# KiCad board poly_kb_molecule_8x5.kicad_pcb (continued)
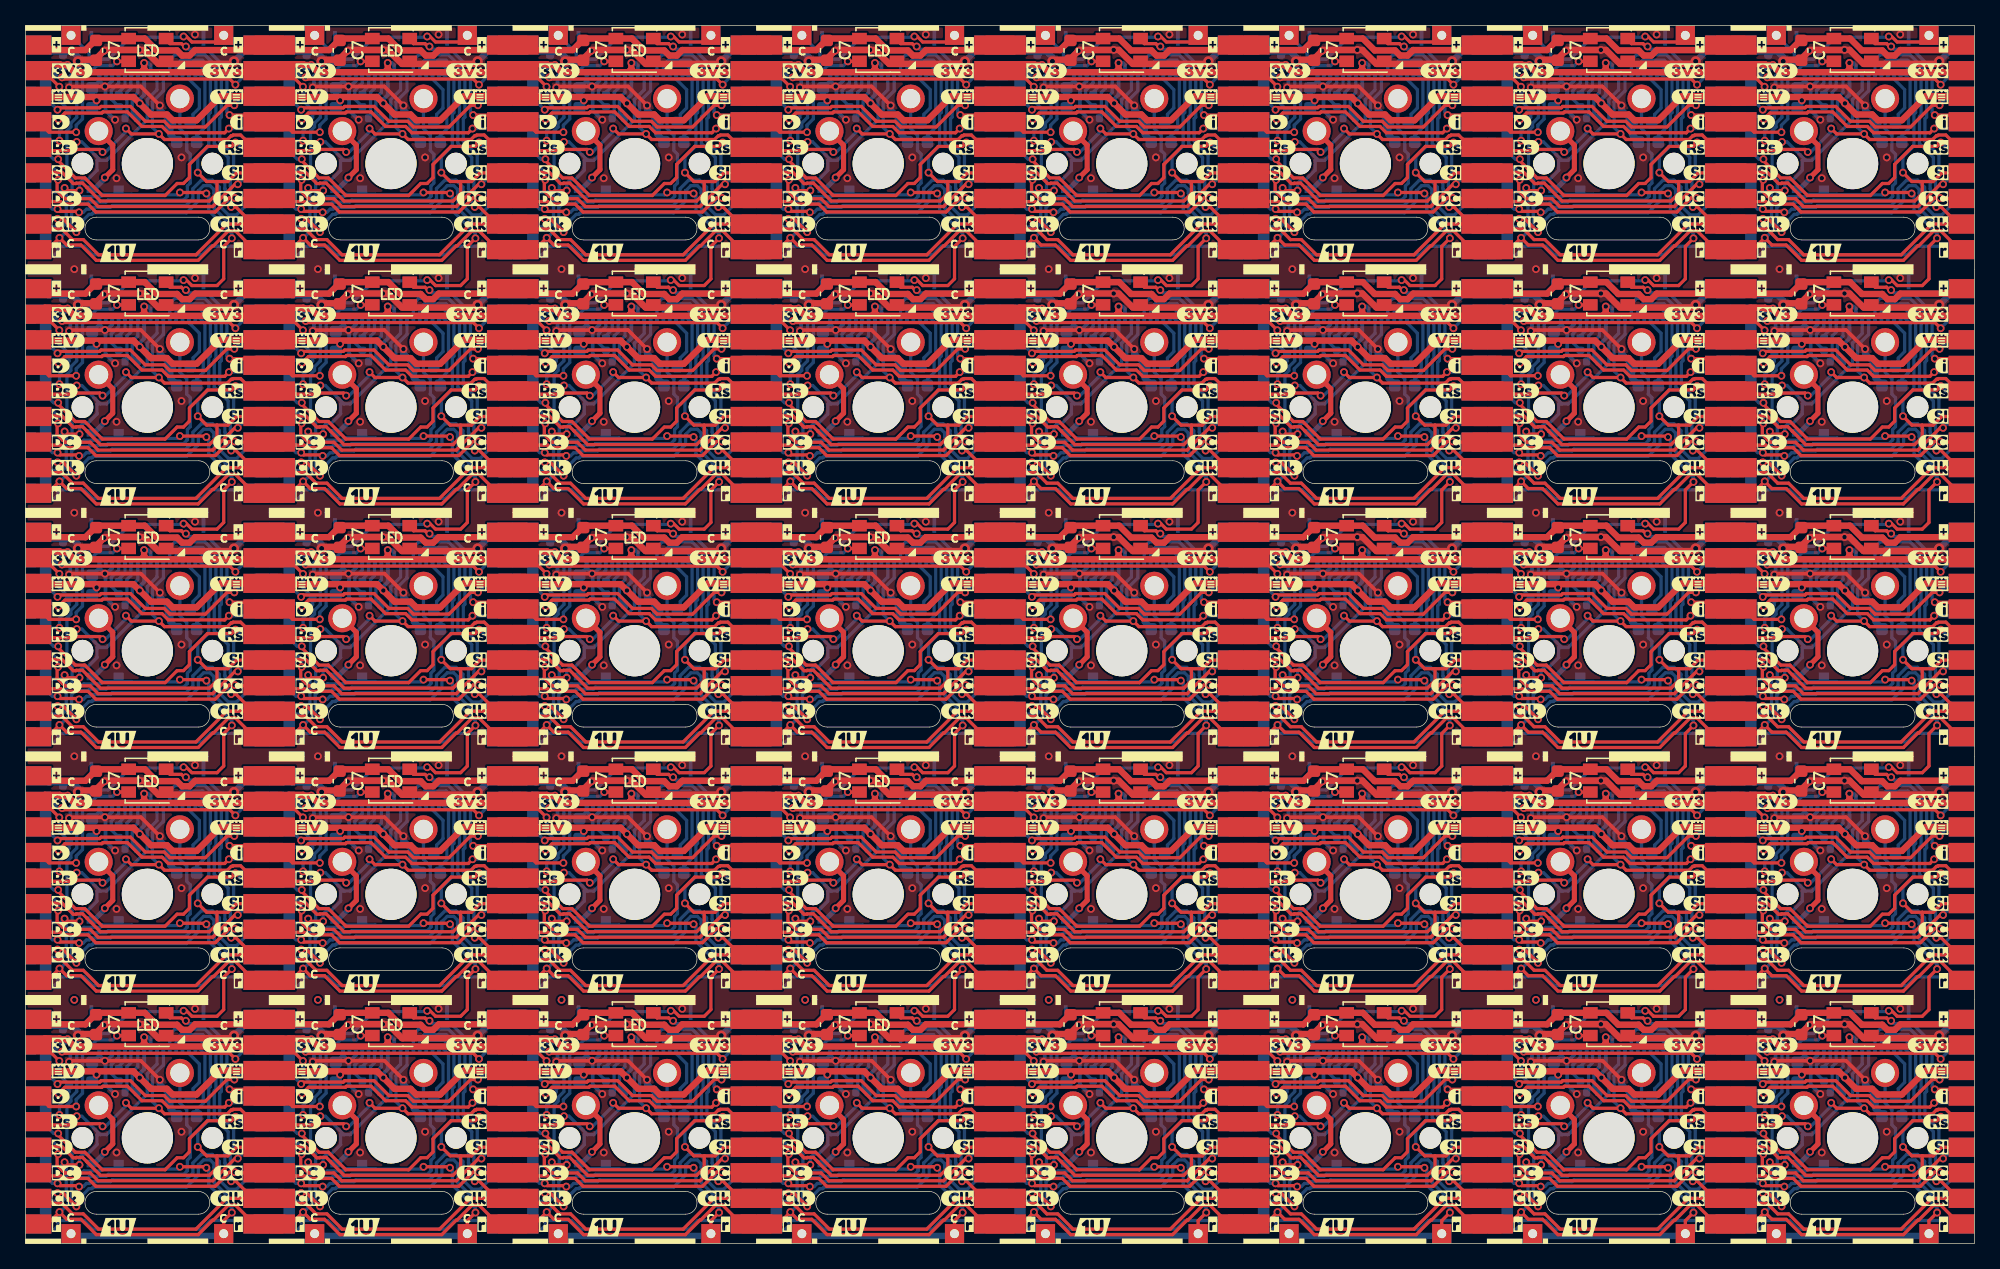
[diagram p0: board, top side]
## Routing (per net, layer and track width the routed paths; a pad name or vN(x,y) marks a point on that pad's centre or on a via; arc(x,y) is an arc through that point) (continued)
  Bottom w0.254: 134.62,28.58 135.54,27.65 v1(135.9,27.65) ; 96.52,28.58 97.44,27.65 v1(97.8,27.65) ; v1(54.51,86.1) 54.89,85.72 55.88,85.72 ; 115.57,47.62 116.5,46.7 v1(116.85,46.7) ; v1(40.65,84.8) 40.3,84.8 39.37,85.72 ; v1(54.51,9.9) 54.89,9.53 55.88,9.53 ; 20.32,85.72 21.24,84.8 v1(21.6,84.8) ; 77.47,9.53 78.39,8.6 v1(78.75,8.6) ; v1(135.9,46.7) 135.54,46.7 134.62,47.62 ; 132.08,66.67 131.09,66.67 v1(130.71,67.05) ; 55.88,47.62 54.89,47.62 v1(54.51,48) ; v1(92.61,28.95) 92.99,28.58 93.98,28.58 ; v1(130.71,9.9) 131.09,9.53 132.08,9.53 ; 20.32,28.58 21.24,27.65 v1(21.6,27.65) ; 93.98,85.72 92.99,85.72 v1(92.61,86.1) ; v1(78.75,46.7) 78.39,46.7 77.47,47.62 ; 74.93,9.53 73.94,9.53 v1(73.56,9.9) ; 151.13,9.53 150.14,9.53 v1(149.76,9.9) ; 134.62,9.53 135.54,8.6 v1(135.9,8.6) ; v1(135.9,65.75) 135.54,65.75 134.62,66.67 ; v1(35.46,9.9) 35.84,9.53 36.83,9.53 ; 1.27,9.53 2.2,8.6 v1(2.55,8.6) ; v1(73.56,48) 73.94,47.62 74.93,47.62 ; v1(116.85,27.65) 116.5,27.65 115.57,28.58 ; 1.27,85.72 2.2,84.8 v1(2.55,84.8) ; 1.27,66.67 2.2,65.75 v1(2.55,65.75) ; 132.08,28.58 131.09,28.58 v1(130.71,28.95) ; 58.42,85.72 59.34,84.8 v1(59.7,84.8) ; 151.13,66.67 150.14,66.67 v1(149.76,67.05) ; v1(111.66,9.9) 112.04,9.53 113.03,9.53 ; 96.52,85.72 97.44,84.8 v1(97.8,84.8) ; 1.27,47.62 2.2,46.7 v1(2.55,46.7) ; v1(73.56,86.1) 73.94,85.72 74.93,85.72 ; 151.13,47.62 150.14,47.62 v1(149.76,48) ; 36.83,85.72 35.84,85.72 v1(35.46,86.1) ; v1(78.75,84.8) 78.39,84.8 77.47,85.72 ; 113.03,47.62 112.04,47.62 v1(111.66,48) ; 115.57,85.72 116.5,84.8 v1(116.85,84.8) ; 96.52,47.62 97.44,46.7 v1(97.8,46.7) ; 77.47,28.58 78.39,27.65 v1(78.75,27.65) ; 17.78,47.62 16.79,47.62 v1(16.41,48) ; 115.57,9.53 116.5,8.6 v1(116.85,8.6) ; 96.52,66.67 97.44,65.75 v1(97.8,65.75) ; 96.52,9.53 97.44,8.6 v1(97.8,8.6) ; v1(35.46,28.95) 35.84,28.58 36.83,28.58 ; v1(78.75,65.75) 78.39,65.75 77.47,66.67 ; v1(59.7,46.7) 59.34,46.7 58.42,47.62 ; 55.88,66.67 54.89,66.67 v1(54.51,67.05) ; 93.98,47.62 92.99,47.62 v1(92.61,48) ; 134.62,85.72 135.54,84.8 v1(135.9,84.8) ; v1(130.71,86.1) 131.09,85.72 132.08,85.72 ; v1(130.71,48) 131.09,47.62 132.08,47.62 ; v1(2.55,27.65) 2.2,27.65 1.27,28.58 ; v1(59.7,65.75) 59.34,65.75 58.42,66.67 ; 36.83,66.67 35.84,66.67 v1(35.46,67.05) ; 115.57,66.67 116.5,65.75 v1(116.85,65.75) ; 20.32,9.53 21.24,8.6 v1(21.6,8.6) ; 17.78,66.67 16.79,66.67 v1(16.41,67.05) ; 93.98,66.67 92.99,66.67 v1(92.61,67.05) ; 58.42,28.58 59.34,27.65 v1(59.7,27.65) ; 151.13,85.72 150.14,85.72 v1(149.76,86.1) ; v1(21.6,65.75) 21.24,65.75 20.32,66.67 ; 113.03,85.72 112.04,85.72 v1(111.66,86.1) ; v1(16.41,28.95) 16.79,28.58 17.78,28.58 ; 93.98,9.53 92.99,9.53 v1(92.61,9.9) ; 39.37,66.67 40.3,65.75 v1(40.65,65.75) ; 74.93,66.67 73.94,66.67 v1(73.56,67.05) ; 39.37,47.62 40.3,46.7 v1(40.65,46.7) ; 151.13,28.58 150.14,28.58 v1(149.76,28.95) ; 113.03,28.58 112.04,28.58 v1(111.66,28.95) ; 39.37,9.53 40.3,8.6 v1(40.65,8.6) ; 17.78,85.72 16.79,85.72 v1(16.41,86.1) ; v1(35.46,48) 35.84,47.62 36.83,47.62 ; v1(54.51,28.95) 54.89,28.58 55.88,28.58 ; 39.37,28.58 40.3,27.65 v1(40.65,27.65) ; 74.93,28.58 73.94,28.58 v1(73.56,28.95) ; v1(59.7,8.6) 59.34,8.6 58.42,9.53 ; 20.32,47.62 21.24,46.7 v1(21.6,46.7) ; v1(111.66,67.05) 112.04,66.67 113.03,66.67 ; v1(16.41,9.9) 16.79,9.53 17.78,9.53
  Bottom w1.5: J6#7.5 J5#38.5 ; J6#16.5 J5#9.5 ; J6#28.5 J5#10.5 ; J6#26.5 J5#6.5 ; J6#36.5 J5#30.5 ; J6.5 J5#32.5 ; J6#40.5 J5#19.5 ; J6#2.5 J5#35.5 ; J6#27.5 J5#4.5 ; J6#30.5 J5#36.5 ; J6#22.5 J5#24.5 ; J6#21.5 J5#17.5 ; J6#31.5 J5#18.5 ; J6#6.5 J5#33.5 ; J6#3.5 J5#25.5 ; J6#11.5 J5#31.5 ; J6#4.5 J5#2.5 ; J6#29.5 J5#26.5 ; J6#13.5 J5#22.5 ; J6#8.5 J5#5.5 ; J6#17.5 J5#29.5 ; J6#20.5 J5#20.5 ; J6#25.5 J5#7.5 ; J6#12.5 J5#23.5 ; J6#19.5 J5#28.5 ; J6#10.5 J5#15.5 ; J6#15.5 J5#11.5 ; J6#39.5 J5#40.5 ; J6#35.5 J5#13.5 ; J6#37.5 J5#16.5 ; J6#32.5 J5#14.5 ; J6#18.5 J5#37.5 ; J6#23.5 J5#8.5 ; J6#14.5 J5#12.5 ; J6#34.5 J5#39.5
CS5: length 883.3
  Top w0.254: v1(40.64,26.03) 40.57,25.96 40.57,25.16 40.98,24.74 41.01,24.74 41.19,24.56 43.16,24.56 43.77,23.95 52.74,23.95 54.48,25.69 v1(54.7,25.69) ; v1(111.85,63.79) 111.63,63.79 109.89,62.05 100.92,62.05 100.31,62.66 98.34,62.66 98.16,62.84 98.13,62.84 97.72,63.26 97.72,64.06 v1(97.79,64.13) ; v1(149.95,82.84) 149.73,82.84 147.99,81.1 139.02,81.1 138.41,81.71 136.44,81.71 136.26,81.89 136.23,81.89 135.82,82.31 135.82,83.11 v1(135.89,83.19) ; v1(16.6,25.69) 16.38,25.69 14.64,23.95 5.67,23.95 5.06,24.56 3.09,24.56 2.91,24.74 2.88,24.74 2.47,25.16 2.47,25.96 v1(2.54,26.03) ; v1(40.64,64.13) 40.57,64.06 40.57,63.26 40.98,62.84 41.01,62.84 41.19,62.66 43.16,62.66 43.77,62.05 52.74,62.05 54.48,63.79 v1(54.7,63.79) ; v1(21.59,26.03) 21.52,25.96 21.52,25.16 21.93,24.74 21.96,24.74 22.14,24.56 24.11,24.56 24.72,23.95 33.69,23.95 35.43,25.69 v1(35.65,25.69) ; v1(130.9,82.84) 130.68,82.84 128.94,81.1 119.97,81.1 119.36,81.71 117.39,81.71 117.21,81.89 117.18,81.89 116.77,82.31 116.77,83.11 v1(116.84,83.19) ; v1(73.75,44.74) 73.53,44.74 71.79,43 62.82,43 62.21,43.61 60.24,43.61 60.06,43.79 60.03,43.79 59.62,44.21 59.62,45.01 v1(59.69,45.08) ; v1(111.85,25.69) 111.63,25.69 109.89,23.95 100.92,23.95 100.31,24.56 98.34,24.56 98.16,24.74 98.13,24.74 97.72,25.16 97.72,25.96 v1(97.79,26.03) ; v1(2.54,83.19) 2.47,83.11 2.47,82.31 2.88,81.89 2.91,81.89 3.09,81.71 5.06,81.71 5.67,81.1 14.64,81.1 16.38,82.84 v1(16.6,82.84) ; v1(21.59,83.19) 21.52,83.11 21.52,82.31 21.93,81.89 21.96,81.89 22.14,81.71 24.11,81.71 24.72,81.1 33.69,81.1 35.43,82.84 v1(35.65,82.84) ; v1(78.74,83.19) 78.67,83.11 78.67,82.31 79.08,81.89 79.11,81.89 79.29,81.71 81.26,81.71 81.87,81.1 90.84,81.1 92.58,82.84 v1(92.8,82.84) ; v1(59.69,83.19) 59.62,83.11 59.62,82.31 60.03,81.89 60.06,81.89 60.24,81.71 62.21,81.71 62.82,81.1 71.79,81.1 73.53,82.84 v1(73.75,82.84) ; v1(116.84,45.08) 116.77,45.01 116.77,44.21 117.18,43.79 117.21,43.79 117.39,43.61 119.36,43.61 119.97,43 128.94,43 130.68,44.74 v1(130.9,44.74) ; v1(97.79,83.19) 97.72,83.11 97.72,82.31 98.13,81.89 98.16,81.89 98.34,81.71 100.31,81.71 100.92,81.1 109.89,81.1 111.63,82.84 v1(111.85,82.84) ; v1(40.64,83.19) 40.57,83.11 40.57,82.31 40.98,81.89 41.01,81.89 41.19,81.71 43.16,81.71 43.77,81.1 52.74,81.1 54.48,82.84 v1(54.7,82.84) ; v1(16.6,6.64) 16.38,6.64 14.64,4.9 5.67,4.9 5.06,5.51 3.09,5.51 2.91,5.69 2.88,5.69 2.47,6.11 2.47,6.91 v1(2.54,6.98) ; v1(59.69,26.03) 59.62,25.96 59.62,25.16 60.03,24.74 60.06,24.74 60.24,24.56 62.21,24.56 62.82,23.95 71.79,23.95 73.53,25.69 v1(73.75,25.69) ; v1(78.74,26.03) 78.67,25.96 78.67,25.16 79.08,24.74 79.11,24.74 79.29,24.56 81.26,24.56 81.87,23.95 90.84,23.95 92.58,25.69 v1(92.8,25.69) ; v1(92.8,44.74) 92.58,44.74 90.84,43 81.87,43 81.26,43.61 79.29,43.61 79.11,43.79 79.08,43.79 78.67,44.21 78.67,45.01 v1(78.74,45.08) ; v1(16.6,44.74) 16.38,44.74 14.64,43 5.67,43 5.06,43.61 3.09,43.61 2.91,43.79 2.88,43.79 2.47,44.21 2.47,45.01 v1(2.54,45.08) ; v1(111.85,6.64) 111.63,6.64 109.89,4.9 100.92,4.9 100.31,5.51 98.34,5.51 98.16,5.69 98.13,5.69 97.72,6.11 97.72,6.91 v1(97.79,6.98) ; v1(35.65,63.79) 35.43,63.79 33.69,62.05 24.72,62.05 24.11,62.66 22.14,62.66 21.96,62.84 21.93,62.84 21.52,63.26 21.52,64.06 v1(21.59,64.13) ; v1(35.65,6.64) 35.43,6.64 33.69,4.9 24.72,4.9 24.11,5.51 22.14,5.51 21.96,5.69 21.93,5.69 21.52,6.11 21.52,6.91 v1(21.59,6.98) ; v1(116.84,64.13) 116.77,64.06 116.77,63.26 117.18,62.84 117.21,62.84 117.39,62.66 119.36,62.66 119.97,62.05 128.94,62.05 130.68,63.79 v1(130.9,63.79) ; v1(149.95,44.74) 149.73,44.74 147.99,43 139.02,43 138.41,43.61 136.44,43.61 136.26,43.79 136.23,43.79 135.82,44.21 135.82,45.01 v1(135.89,45.08) ; v1(78.74,64.13) 78.67,64.06 78.67,63.26 79.08,62.84 79.11,62.84 79.29,62.66 81.26,62.66 81.87,62.05 90.84,62.05 92.58,63.79 v1(92.8,63.79) ; v1(35.65,44.74) 35.43,44.74 33.69,43 24.72,43 24.11,43.61 22.14,43.61 21.96,43.79 21.93,43.79 21.52,44.21 21.52,45.01 v1(21.59,45.08) ; v1(97.79,45.08) 97.72,45.01 97.72,44.21 98.13,43.79 98.16,43.79 98.34,43.61 100.31,43.61 100.92,43 109.89,43 111.63,44.74 v1(111.85,44.74) ; v1(78.74,6.98) 78.67,6.91 78.67,6.11 79.08,5.69 79.11,5.69 79.29,5.51 81.26,5.51 81.87,4.9 90.84,4.9 92.58,6.64 v1(92.8,6.64) ; v1(59.69,6.98) 59.62,6.91 59.62,6.11 60.03,5.69 60.06,5.69 60.24,5.51 62.21,5.51 62.82,4.9 71.79,4.9 73.53,6.64 v1(73.75,6.64) ; v1(73.75,63.79) 73.53,63.79 71.79,62.05 62.82,62.05 62.21,62.66 60.24,62.66 60.06,62.84 60.03,62.84 59.62,63.26 59.62,64.06 v1(59.69,64.13) ; v1(135.89,26.03) 135.82,25.96 135.82,25.16 136.23,24.74 136.26,24.74 136.44,24.56 138.41,24.56 139.02,23.95 147.99,23.95 149.73,25.69 v1(149.95,25.69) ; v1(149.95,6.64) 149.73,6.64 147.99,4.9 139.02,4.9 138.41,5.51 136.44,5.51 136.26,5.69 136.23,5.69 135.82,6.11 135.82,6.91 v1(135.89,6.98) ; v1(54.7,6.64) 54.48,6.64 52.74,4.9 43.77,4.9 43.16,5.51 41.19,5.51 41.01,5.69 40.98,5.69 40.57,6.11 40.57,6.91 v1(40.64,6.98) ; v1(2.54,64.13) 2.47,64.06 2.47,63.26 2.88,62.84 2.91,62.84 3.09,62.66 5.06,62.66 5.67,62.05 14.64,62.05 16.38,63.79 v1(16.6,63.79) ; v1(130.9,25.69) 130.68,25.69 128.94,23.95 119.97,23.95 119.36,24.56 117.39,24.56 117.21,24.74 117.18,24.74 116.77,25.16 116.77,25.96 v1(116.84,26.03) ; v1(130.9,6.64) 130.68,6.64 128.94,4.9 119.97,4.9 119.36,5.51 117.39,5.51 117.21,5.69 117.18,5.69 116.77,6.11 116.77,6.91 v1(116.84,6.98) ; v1(40.64,45.08) 40.57,45.01 40.57,44.21 40.98,43.79 41.01,43.79 41.19,43.61 43.16,43.61 43.77,43 52.74,43 54.48,44.74 v1(54.7,44.74) ; v1(149.95,63.79) 149.73,63.79 147.99,62.05 139.02,62.05 138.41,62.66 136.44,62.66 136.26,62.84 136.23,62.84 135.82,63.26 135.82,64.06 v1(135.89,64.13)
  Bottom w0.254: J5#10.6 58.1,65.11 59.28,65.11 59.69,64.7 v1(59.69,64.13) ; v1(35.65,82.84) 36.53,83.72 36.83,83.72 ; v1(78.74,45.08) 78.74,45.65 78.33,46.06 77.15,46.06 J5#24.6 ; v1(40.64,26.03) 40.64,26.6 40.23,27.01 39.05,27.01 J5#40.6 ; J5#21.6 0.95,7.96 2.13,7.96 2.54,7.55 v1(2.54,6.98) ; v1(78.74,64.13) 78.74,64.7 78.33,65.11 77.15,65.11 J5#15.6 ; v1(92.8,6.64) 93.68,7.53 93.98,7.53 ; 151.13,7.53 150.83,7.53 v1(149.95,6.64) ; v1(21.59,45.08) 21.59,45.65 21.18,46.06 20,46.06 J5#5.6 ; v1(59.69,6.98) 59.69,7.55 59.28,7.96 58.1,7.96 J5#6.6 ; v1(16.6,6.64) 17.48,7.53 17.78,7.53 ; 113.03,7.53 112.73,7.53 v1(111.85,6.64) ; J5#31.6 20,27.01 21.18,27.01 21.59,26.6 v1(21.59,26.03) ; v1(97.79,83.19) 97.79,83.75 97.38,84.16 96.2,84.16 J5#22.6 ; J5#7.6 77.15,7.96 78.33,7.96 78.74,7.55 v1(78.74,6.98) ; v1(40.64,6.98) 40.64,7.55 40.23,7.96 39.05,7.96 J5#36.6 ; v1(21.59,64.13) 21.59,64.7 21.18,65.11 20,65.11 J5#19.6 ; v1(135.89,83.19) 135.89,83.75 135.48,84.16 134.3,84.16 J5#13.6 ; v1(149.95,25.69) 150.83,26.58 151.13,26.58 ; v1(54.7,63.79) 55.58,64.67 55.88,64.67 ; J5#28.6 58.1,84.16 59.28,84.16 59.69,83.75 v1(59.69,83.19) ; J5#9.6 115.25,46.06 116.43,46.06 116.84,45.65 v1(116.84,45.08) ; J5#26.6 134.3,7.96 135.48,7.96 135.89,7.55 v1(135.89,6.98) ; v1(92.8,63.79) 93.68,64.67 93.98,64.67 ; v1(73.75,25.69) 74.63,26.58 74.93,26.58 ; v1(92.8,82.84) 93.68,83.72 93.98,83.72 ; J5#4.6 58.1,27.01 59.28,27.01 59.69,26.6 v1(59.69,26.03) ; 151.13,83.72 150.83,83.72 v1(149.95,82.84) ; v1(92.8,44.74) 93.68,45.62 93.98,45.62 ; v1(73.75,82.84) 74.63,83.72 74.93,83.72 ; 55.88,45.62 55.58,45.62 v1(54.7,44.74) ; v1(40.64,64.13) 40.64,64.7 40.23,65.11 39.05,65.11 J5#35.6 ; J5#20.6 115.25,84.16 116.43,84.16 116.84,83.75 v1(116.84,83.19) ; v1(116.84,6.98) 116.84,7.55 116.43,7.96 115.25,7.96 J5#33.6 ; 151.13,64.67 150.83,64.67 v1(149.95,63.79) ; v1(21.59,6.98) 21.59,7.55 21.18,7.96 20,7.96 J5#18.6 ; 36.83,45.62 36.53,45.62 v1(35.65,44.74) ; 151.13,45.62 150.83,45.62 v1(149.95,44.74) ; J5#25.6 115.25,65.11 116.43,65.11 116.84,64.7 v1(116.84,64.13) ; 36.83,64.67 36.53,64.67 v1(35.65,63.79) ; 55.88,7.53 55.58,7.53 v1(54.7,6.64) ; J5#29.6 58.1,46.06 59.28,46.06 59.69,45.65 v1(59.69,45.08) ; J5#39.6 134.3,46.06 135.48,46.06 135.89,45.65 v1(135.89,45.08) ; v1(97.79,64.13) 97.79,64.7 97.38,65.11 96.2,65.11 J5#23.6 ; 132.08,83.72 131.78,83.72 v1(130.9,82.84) ; v1(2.54,45.08) 2.54,45.65 2.13,46.06 0.95,46.06 J5#34.6 ; 55.88,26.58 55.58,26.58 v1(54.7,25.69) ; v1(21.59,83.19) 21.59,83.75 21.18,84.16 20,84.16 J5#32.6 ; v1(97.79,26.03) 97.79,26.6 97.38,27.01 96.2,27.01 J5#16.6 ; 17.78,83.72 17.48,83.72 v1(16.6,82.84) ; v1(40.64,83.19) 40.64,83.75 40.23,84.16 39.05,84.16 J5#2.6 ; J5#30.6 115.25,27.01 116.43,27.01 116.84,26.6 v1(116.84,26.03) ; v1(135.89,26.03) 135.89,26.6 135.48,27.01 134.3,27.01 J5#37.6 ; v1(40.64,45.08) 40.64,45.65 40.23,46.06 39.05,46.06 J5#17.6 ; 55.88,83.72 55.58,83.72 v1(54.7,82.84) ; v1(16.6,25.69) 17.48,26.58 17.78,26.58 ; v1(92.8,25.69) 93.68,26.58 93.98,26.58 ; v1(130.9,63.79) 131.78,64.67 132.08,64.67 ; v1(2.54,83.19) 2.54,83.75 2.13,84.16 0.95,84.16 J5.6 ; v1(111.85,25.69) 112.73,26.58 113.03,26.58 ; 36.83,7.53 36.53,7.53 v1(35.65,6.64) ; v1(130.9,44.74) 131.78,45.62 132.08,45.62 ; 17.78,45.62 17.48,45.62 v1(16.6,44.74) ; v1(73.75,44.74) 74.63,45.62 74.93,45.62 ; v1(97.79,6.98) 97.79,7.55 97.38,7.96 96.2,7.96 J5#8.6 ; 113.03,64.67 112.73,64.67 v1(111.85,63.79) ; v1(73.75,6.64) 74.63,7.53 74.93,7.53 ; 113.03,83.72 112.73,83.72 v1(111.85,82.84) ; J5#14.6 96.2,46.06 97.38,46.06 97.79,45.65 v1(97.79,45.08) ; v1(73.75,63.79) 74.63,64.67 74.93,64.67 ; v1(35.65,25.69) 36.53,26.58 36.83,26.58 ; v1(130.9,6.64) 131.78,7.53 132.08,7.53 ; v1(130.9,25.69) 131.78,26.58 132.08,26.58 ; v1(135.89,64.13) 135.89,64.7 135.48,65.11 134.3,65.11 J5#38.6 ; 113.03,45.62 112.73,45.62 v1(111.85,44.74) ; J5#27.6 0.95,65.11 2.13,65.11 2.54,64.7 v1(2.54,64.13) ; v1(16.6,63.79) 17.48,64.67 17.78,64.67 ; v1(2.54,26.03) 2.54,26.6 2.13,27.01 0.95,27.01 J5#3.6 ; v1(78.74,83.19) 78.74,83.75 78.33,84.16 77.15,84.16 J5#11.6 ; v1(78.74,26.03) 78.74,26.6 78.33,27.01 77.15,27.01 J5#12.6
  Bottom w1.5: J6#18.6 J5#37.6 ; J6#23.6 J5#8.6 ; J6#15.6 J5#11.6 ; J6#7.6 J5#38.6 ; J6#11.6 J5#31.6 ; J6#6.6 J5#33.6 ; J6#27.6 J5#4.6 ; J6#20.6 J5#20.6 ; J6.6 J5#32.6 ; J6#3.6 J5#25.6 ; J6#31.6 J5#18.6 ; J6#8.6 J5#5.6 ; J6#10.6 J5#15.6 ; J6#22.6 J5#24.6 ; J6#39.6 J5#40.6 ; J6#26.6 J5#6.6 ; J6#32.6 J5#14.6 ; J6#17.6 J5#29.6 ; J6#4.6 J5#2.6 ; J6#12.6 J5#23.6 ; J6#34.6 J5#39.6 ; J6#2.6 J5#35.6 ; J6#25.6 J5#7.6 ; J6#30.6 J5#36.6 ; J6#28.6 J5#10.6 ; J6#13.6 J5#22.6 ; J6#19.6 J5#28.6 ; J6#14.6 J5#12.6 ; J6#36.6 J5#30.6 ; J6#16.6 J5#9.6 ; J6#21.6 J5#17.6 ; J6#40.6 J5#19.6 ; J6#37.6 J5#16.6 ; J6#29.6 J5#26.6 ; J6#35.6 J5#13.6
CS6: length 892.4
  Top w0.254: v1(61.33,61.59) 61.26,61.67 59.83,61.67 v1(59.65,61.85) ; v1(80.38,4.44) 80.31,4.52 78.88,4.52 v1(78.7,4.7) ; v1(80.38,61.59) 80.31,61.67 78.88,61.67 v1(78.7,61.85) ; v1(23.23,80.64) 23.16,80.72 21.73,80.72 v1(21.55,80.9) ; v1(59.65,80.9) 59.83,80.72 61.26,80.72 v1(61.33,80.64) ; v1(97.75,4.7) 97.93,4.52 99.36,4.52 v1(99.43,4.44) ; v1(116.8,42.8) 116.98,42.62 118.41,42.62 v1(118.48,42.55) ; v1(42.28,61.59) 42.21,61.67 40.78,61.67 v1(40.6,61.85) ; v1(21.55,23.75) 21.73,23.57 23.16,23.57 v1(23.23,23.49) ; v1(61.33,42.55) 61.26,42.62 59.83,42.62 v1(59.65,42.8) ; v1(40.6,4.7) 40.78,4.52 42.21,4.52 v1(42.28,4.44) ; v1(137.53,80.64) 137.46,80.72 136.03,80.72 v1(135.85,80.9) ; v1(2.5,4.7) 2.68,4.52 4.11,4.52 v1(4.18,4.44) ; v1(61.33,23.49) 61.26,23.57 59.83,23.57 v1(59.65,23.75) ; v1(118.48,4.44) 118.41,4.52 116.98,4.52 v1(116.8,4.7) ; v1(23.23,4.44) 23.16,4.52 21.73,4.52 v1(21.55,4.7) ; v1(135.85,23.75) 136.03,23.57 137.46,23.57 v1(137.53,23.49) ; v1(2.5,23.75) 2.68,23.57 4.11,23.57 v1(4.18,23.49) ; v1(80.38,42.55) 80.31,42.62 78.88,42.62 v1(78.7,42.8) ; v1(2.5,61.85) 2.68,61.67 4.11,61.67 v1(4.18,61.59) ; v1(40.6,80.9) 40.78,80.72 42.21,80.72 v1(42.28,80.64) ; v1(118.48,61.59) 118.41,61.67 116.98,61.67 v1(116.8,61.85) ; v1(97.75,42.8) 97.93,42.62 99.36,42.62 v1(99.43,42.55) ; v1(116.8,23.75) 116.98,23.57 118.41,23.57 v1(118.48,23.49) ; v1(116.8,80.9) 116.98,80.72 118.41,80.72 v1(118.48,80.64) ; v1(4.18,80.64) 4.11,80.72 2.68,80.72 v1(2.5,80.9) ; v1(4.18,42.55) 4.11,42.62 2.68,42.62 v1(2.5,42.8) ; v1(21.55,61.85) 21.73,61.67 23.16,61.67 v1(23.23,61.59) ; v1(61.33,4.44) 61.26,4.52 59.83,4.52 v1(59.65,4.7) ; v1(23.23,42.55) 23.16,42.62 21.73,42.62 v1(21.55,42.8) ; v1(99.43,80.64) 99.36,80.72 97.93,80.72 v1(97.75,80.9) ; v1(97.75,61.85) 97.93,61.67 99.36,61.67 v1(99.43,61.59) ; v1(135.85,42.8) 136.03,42.62 137.46,42.62 v1(137.53,42.55) ; v1(135.85,4.7) 136.03,4.52 137.46,4.52 v1(137.53,4.44) ; v1(40.6,23.75) 40.78,23.57 42.21,23.57 v1(42.28,23.49) ; v1(99.43,23.49) 99.36,23.57 97.93,23.57 v1(97.75,23.75) ; v1(135.85,61.85) 136.03,61.67 137.46,61.67 v1(137.53,61.59) ; v1(80.38,80.64) 80.31,80.72 78.88,80.72 v1(78.7,80.9) ; v1(80.38,23.49) 80.31,23.57 78.88,23.57 v1(78.7,23.75) ; v1(42.28,42.55) 42.21,42.62 40.78,42.62 v1(40.6,42.8)
  Bottom w0.254: 134.62,81.72 135.44,80.9 v1(135.85,80.9) ; 115.57,5.53 116.4,4.7 v1(116.8,4.7) ; 36.83,62.67 35.54,61.39 34.92,61.39 34.23,62.08 34.23,63.24 34.2,63.27 34.2,63.57 33.66,64.11 32.8,64.11 32.13,63.44 32.13,62.66 31.6,62.13 25.83,62.13 25.68,61.98 24.21,61.98 24.11,61.89 24.1,61.89 24.05,61.84 23.81,61.84 23.56,61.59 v1(23.23,61.59) ; 151.13,43.62 149.84,42.34 149.22,42.34 148.53,43.03 148.53,44.19 148.5,44.22 148.5,44.52 147.96,45.06 147.1,45.06 146.43,44.39 146.43,43.61 145.9,43.08 140.13,43.08 139.98,42.93 138.51,42.93 138.41,42.84 138.4,42.84 138.35,42.79 138.11,42.79 137.86,42.55 v1(137.53,42.55) ; 134.62,24.58 135.44,23.75 v1(135.85,23.75) ; 77.47,43.62 78.3,42.8 v1(78.7,42.8) ; 115.57,43.62 116.4,42.8 v1(116.8,42.8) ; v1(135.85,4.7) 135.44,4.7 134.62,5.53 ; 96.52,24.58 97.34,23.75 v1(97.75,23.75) ; v1(61.33,42.55) 61.66,42.55 61.91,42.79 62.15,42.79 62.2,42.84 62.21,42.84 62.31,42.93 63.78,42.93 63.93,43.08 69.7,43.08 70.23,43.61 70.23,44.39 70.9,45.06 71.76,45.06 72.3,44.52 72.3,44.22 72.33,44.19 72.33,43.03 73.02,42.34 73.64,42.34 74.93,43.62 ; v1(21.55,42.8) 21.14,42.8 20.32,43.62 ; 36.83,5.53 35.54,4.24 34.92,4.24 34.23,4.93 34.23,6.09 34.2,6.12 34.2,6.42 33.66,6.96 32.8,6.96 32.13,6.29 32.13,5.51 31.6,4.98 25.83,4.98 25.68,4.83 24.21,4.83 24.11,4.74 24.1,4.74 24.05,4.69 23.81,4.69 23.56,4.44 v1(23.23,4.44) ; 17.78,5.53 16.49,4.24 15.87,4.24 15.18,4.93 15.18,6.09 15.15,6.12 15.15,6.42 14.61,6.96 13.75,6.96 13.08,6.29 13.08,5.51 12.55,4.98 6.78,4.98 6.63,4.83 5.16,4.83 5.06,4.74 5.05,4.74 5,4.69 4.76,4.69 4.51,4.44 v1(4.18,4.44) ; v1(118.48,42.55) 118.81,42.55 119.06,42.79 119.3,42.79 119.35,42.84 119.36,42.84 119.46,42.93 120.93,42.93 121.08,43.08 126.85,43.08 127.38,43.61 127.38,44.39 128.05,45.06 128.91,45.06 129.45,44.52 129.45,44.22 129.48,44.19 129.48,43.03 130.17,42.34 130.79,42.34 132.08,43.62 ; v1(21.55,80.9) 21.14,80.9 20.32,81.72 ; 77.47,81.72 78.3,80.9 v1(78.7,80.9) ; v1(4.18,80.64) 4.51,80.64 4.76,80.89 5,80.89 5.05,80.94 5.06,80.94 5.16,81.03 6.63,81.03 6.78,81.18 12.55,81.18 13.08,81.71 13.08,82.49 13.75,83.16 14.61,83.16 15.15,82.62 15.15,82.32 15.18,82.29 15.18,81.13 15.87,80.44 16.49,80.44 17.78,81.72 ; v1(80.38,23.49) 80.71,23.49 80.96,23.74 81.2,23.74 81.25,23.79 81.26,23.79 81.36,23.88 82.83,23.88 82.98,24.03 88.75,24.03 89.28,24.56 89.28,25.34 89.95,26.01 90.81,26.01 91.35,25.47 91.35,25.17 91.38,25.14 91.38,23.98 92.07,23.29 92.69,23.29 93.98,24.58 ; v1(40.6,61.85) 40.19,61.85 39.37,62.67 ; 132.08,81.72 130.79,80.44 130.17,80.44 129.48,81.13 129.48,82.29 129.45,82.32 129.45,82.62 128.91,83.16 128.05,83.16 127.38,82.49 127.38,81.71 126.85,81.18 121.08,81.18 120.93,81.03 119.46,81.03 119.36,80.94 119.35,80.94 119.3,80.89 119.06,80.89 118.81,80.64 v1(118.48,80.64) ; 96.52,43.62 97.34,42.8 v1(97.75,42.8) ; v1(135.85,42.8) 135.44,42.8 134.62,43.62 ; 58.42,62.67 59.25,61.85 v1(59.65,61.85) ; 1.27,43.62 2.09,42.8 v1(2.5,42.8) ; v1(78.7,4.7) 78.3,4.7 77.47,5.53 ; 17.78,62.67 16.49,61.39 15.87,61.39 15.18,62.08 15.18,63.24 15.15,63.27 15.15,63.57 14.61,64.11 13.75,64.11 13.08,63.44 13.08,62.66 12.55,62.13 6.78,62.13 6.63,61.98 5.16,61.98 5.06,61.89 5.05,61.89 5,61.84 4.76,61.84 4.51,61.59 v1(4.18,61.59) ; 93.98,62.67 92.69,61.39 92.07,61.39 91.38,62.08 91.38,63.24 91.35,63.27 91.35,63.57 90.81,64.11 89.95,64.11 89.28,63.44 89.28,62.66 88.75,62.13 82.98,62.13 82.83,61.98 81.36,61.98 81.26,61.89 81.25,61.89 81.2,61.84 80.96,61.84 80.71,61.59 v1(80.38,61.59) ; v1(99.43,23.49) 99.76,23.49 100.01,23.74 100.25,23.74 100.3,23.79 100.31,23.79 100.41,23.88 101.88,23.88 102.03,24.03 107.8,24.03 108.33,24.56 108.33,25.34 109,26.01 109.86,26.01 110.4,25.47 110.4,25.17 110.43,25.14 110.43,23.98 111.12,23.29 111.74,23.29 113.03,24.58 ; 39.37,24.58 40.19,23.75 v1(40.6,23.75) ; 55.88,43.62 54.59,42.34 53.97,42.34 53.28,43.03 53.28,44.19 53.25,44.22 53.25,44.52 52.71,45.06 51.85,45.06 51.18,44.39 51.18,43.61 50.65,43.08 44.88,43.08 44.73,42.93 43.26,42.93 43.16,42.84 43.15,42.84 43.1,42.79 42.86,42.79 42.61,42.55 v1(42.28,42.55) ; 93.98,43.62 92.69,42.34 92.07,42.34 91.38,43.03 91.38,44.19 91.35,44.22 91.35,44.52 90.81,45.06 89.95,45.06 89.28,44.39 89.28,43.61 88.75,43.08 82.98,43.08 82.83,42.93 81.36,42.93 81.26,42.84 81.25,42.84 81.2,42.79 80.96,42.79 80.71,42.55 v1(80.38,42.55) ; v1(61.33,61.59) 61.66,61.59 61.91,61.84 62.15,61.84 62.2,61.89 62.21,61.89 62.31,61.98 63.78,61.98 63.93,62.13 69.7,62.13 70.23,62.66 70.23,63.44 70.9,64.11 71.76,64.11 72.3,63.57 72.3,63.27 72.33,63.24 72.33,62.08 73.02,61.39 73.64,61.39 74.93,62.67 ; 132.08,24.58 130.79,23.29 130.17,23.29 129.48,23.98 129.48,25.14 129.45,25.17 129.45,25.47 128.91,26.01 128.05,26.01 127.38,25.34 127.38,24.56 126.85,24.03 121.08,24.03 120.93,23.88 119.46,23.88 119.36,23.79 119.35,23.79 119.3,23.74 119.06,23.74 118.81,23.49 v1(118.48,23.49) ; v1(61.33,4.44) 61.66,4.44 61.91,4.69 62.15,4.69 62.2,4.74 62.21,4.74 62.31,4.83 63.78,4.83 63.93,4.98 69.7,4.98 70.23,5.51 70.23,6.29 70.9,6.96 71.76,6.96 72.3,6.42 72.3,6.12 72.33,6.09 72.33,4.93 73.02,4.24 73.64,4.24 74.93,5.53 ; v1(116.8,61.85) 116.4,61.85 115.57,62.67 ; 96.52,5.53 97.34,4.7 v1(97.75,4.7) ; 20.32,5.53 21.14,4.7 v1(21.55,4.7) ; 113.03,5.53 111.74,4.24 111.12,4.24 110.43,4.93 110.43,6.09 110.4,6.12 110.4,6.42 109.86,6.96 109,6.96 108.33,6.29 108.33,5.51 107.8,4.98 102.03,4.98 101.88,4.83 100.41,4.83 100.31,4.74 100.3,4.74 100.25,4.69 100.01,4.69 99.76,4.44 v1(99.43,4.44) ; 74.93,81.72 73.64,80.44 73.02,80.44 72.33,81.13 72.33,82.29 72.3,82.32 72.3,82.62 71.76,83.16 70.9,83.16 70.23,82.49 70.23,81.71 69.7,81.18 63.93,81.18 63.78,81.03 62.31,81.03 62.21,80.94 62.2,80.94 62.15,80.89 61.91,80.89 61.66,80.64 v1(61.33,80.64) ; 132.08,62.67 130.79,61.39 130.17,61.39 129.48,62.08 129.48,63.24 129.45,63.27 129.45,63.57 128.91,64.11 128.05,64.11 127.38,63.44 127.38,62.66 126.85,62.13 121.08,62.13 120.93,61.98 119.46,61.98 119.36,61.89 119.35,61.89 119.3,61.84 119.06,61.84 118.81,61.59 v1(118.48,61.59) ; 93.98,81.72 92.69,80.44 92.07,80.44 91.38,81.13 91.38,82.29 91.35,82.32 91.35,82.62 90.81,83.16 89.95,83.16 89.28,82.49 89.28,81.71 88.75,81.18 82.98,81.18 82.83,81.03 81.36,81.03 81.26,80.94 81.25,80.94 81.2,80.89 80.96,80.89 80.71,80.64 v1(80.38,80.64) ; 74.93,24.58 73.64,23.29 73.02,23.29 72.33,23.98 72.33,25.14 72.3,25.17 72.3,25.47 71.76,26.01 70.9,26.01 70.23,25.34 70.23,24.56 69.7,24.03 63.93,24.03 63.78,23.88 62.31,23.88 62.21,23.79 62.2,23.79 62.15,23.74 61.91,23.74 61.66,23.49 v1(61.33,23.49) ; v1(137.53,23.49) 137.86,23.49 138.11,23.74 138.35,23.74 138.4,23.79 138.41,23.79 138.51,23.88 139.98,23.88 140.13,24.03 145.9,24.03 146.43,24.56 146.43,25.34 147.1,26.01 147.96,26.01 148.5,25.47 148.5,25.17 148.53,25.14 148.53,23.98 149.22,23.29 149.84,23.29 151.13,24.58 ; 55.88,24.58 54.59,23.29 53.97,23.29 53.28,23.98 53.28,25.14 53.25,25.17 53.25,25.47 52.71,26.01 51.85,26.01 51.18,25.34 51.18,24.56 50.65,24.03 44.88,24.03 44.73,23.88 43.26,23.88 43.16,23.79 43.15,23.79 43.1,23.74 42.86,23.74 42.61,23.49 v1(42.28,23.49) ; v1(99.43,42.55) 99.76,42.55 100.01,42.79 100.25,42.79 100.3,42.84 100.31,42.84 100.41,42.93 101.88,42.93 102.03,43.08 107.8,43.08 108.33,43.61 108.33,44.39 109,45.06 109.86,45.06 110.4,44.52 110.4,44.22 110.43,44.19 110.43,43.03 111.12,42.34 111.74,42.34 113.03,43.62 ; 1.27,62.67 2.09,61.85 v1(2.5,61.85) ; v1(40.6,42.8) 40.19,42.8 39.37,43.62 ; v1(118.48,4.44) 118.81,4.44 119.06,4.69 119.3,4.69 119.35,4.74 119.36,4.74 119.46,4.83 120.93,4.83 121.08,4.98 126.85,4.98 127.38,5.51 127.38,6.29 128.05,6.96 128.91,6.96 129.45,6.42 129.45,6.12 129.48,6.09 129.48,4.93 130.17,4.24 130.79,4.24 132.08,5.53 ; v1(2.5,80.9) 2.09,80.9 1.27,81.72 ; v1(97.75,80.9) 97.34,80.9 96.52,81.72 ; 96.52,62.67 97.34,61.85 v1(97.75,61.85) ; 58.42,43.62 59.25,42.8 v1(59.65,42.8) ; v1(99.43,61.59) 99.76,61.59 100.01,61.84 100.25,61.84 100.3,61.89 100.31,61.89 100.41,61.98 101.88,61.98 102.03,62.13 107.8,62.13 108.33,62.66 108.33,63.44 109,64.11 109.86,64.11 110.4,63.57 110.4,63.27 110.43,63.24 110.43,62.08 111.12,61.39 111.74,61.39 113.03,62.67 ; v1(21.55,61.85) 21.14,61.85 20.32,62.67 ; v1(80.38,4.44) 80.71,4.44 80.96,4.69 81.2,4.69 81.25,4.74 81.26,4.74 81.36,4.83 82.83,4.83 82.98,4.98 88.75,4.98 89.28,5.51 89.28,6.29 89.95,6.96 90.81,6.96 91.35,6.42 91.35,6.12 91.38,6.09 91.38,4.93 92.07,4.24 92.69,4.24 93.98,5.53 ; v1(116.8,23.75) 116.4,23.75 115.57,24.58 ; v1(21.55,23.75) 21.14,23.75 20.32,24.58 ; 134.62,62.67 135.44,61.85 v1(135.85,61.85) ; v1(42.28,80.64) 42.61,80.64 42.86,80.89 43.1,80.89 43.15,80.94 43.16,80.94 43.26,81.03 44.73,81.03 44.88,81.18 50.65,81.18 51.18,81.71 51.18,82.49 51.85,83.16 52.71,83.16 53.25,82.62 53.25,82.32 53.28,82.29 53.28,81.13 53.97,80.44 54.59,80.44 55.88,81.72 ; 55.88,62.67 54.59,61.39 53.97,61.39 53.28,62.08 53.28,63.24 53.25,63.27 53.25,63.57 52.71,64.11 51.85,64.11 51.18,63.44 51.18,62.66 50.65,62.13 44.88,62.13 44.73,61.98 43.26,61.98 43.16,61.89 43.15,61.89 43.1,61.84 42.86,61.84 42.61,61.59 v1(42.28,61.59) ; v1(78.7,23.75) 78.3,23.75 77.47,24.58 ; 36.83,24.58 35.54,23.29 34.92,23.29 34.23,23.98 34.23,25.14 34.2,25.17 34.2,25.47 33.66,26.01 32.8,26.01 32.13,25.34 32.13,24.56 31.6,24.03 25.83,24.03 25.68,23.88 24.21,23.88 24.11,23.79 24.1,23.79 24.05,23.74 23.81,23.74 23.56,23.49 v1(23.23,23.49) ; 113.03,81.72 111.74,80.44 111.12,80.44 110.43,81.13 110.43,82.29 110.4,82.32 110.4,82.62 109.86,83.16 109,83.16 108.33,82.49 108.33,81.71 107.8,81.18 102.03,81.18 101.88,81.03 100.41,81.03 100.31,80.94 100.3,80.94 100.25,80.89 100.01,80.89 99.76,80.64 v1(99.43,80.64) ; v1(59.65,4.7) 59.25,4.7 58.42,5.53 ; v1(23.23,80.64) 23.56,80.64 23.81,80.89 24.05,80.89 24.1,80.94 24.11,80.94 24.21,81.03 25.68,81.03 25.83,81.18 31.6,81.18 32.13,81.71 32.13,82.49 32.8,83.16 33.66,83.16 34.2,82.62 34.2,82.32 34.23,82.29 34.23,81.13 34.92,80.44 35.54,80.44 36.83,81.72 ; v1(137.53,4.44) 137.86,4.44 138.11,4.69 138.35,4.69 138.4,4.74 138.41,4.74 138.51,4.83 139.98,4.83 140.13,4.98 145.9,4.98 146.43,5.51 146.43,6.29 147.1,6.96 147.96,6.96 148.5,6.42 148.5,6.12 148.53,6.09 148.53,4.93 149.22,4.24 149.84,4.24 151.13,5.53 ; 39.37,81.72 40.19,80.9 v1(40.6,80.9) ; 17.78,24.58 16.49,23.29 15.87,23.29 15.18,23.98 15.18,25.14 15.15,25.17 15.15,25.47 14.61,26.01 13.75,26.01 13.08,25.34 13.08,24.56 12.55,24.03 6.78,24.03 6.63,23.88 5.16,23.88 5.06,23.79 5.05,23.79 5,23.74 4.76,23.74 4.51,23.49 v1(4.18,23.49) ; v1(23.23,42.55) 23.56,42.55 23.81,42.79 24.05,42.79 24.1,42.84 24.11,42.84 24.21,42.93 25.68,42.93 25.83,43.08 31.6,43.08 32.13,43.61 32.13,44.39 32.8,45.06 33.66,45.06 34.2,44.52 34.2,44.22 34.23,44.19 34.23,43.03 34.92,42.34 35.54,42.34 36.83,43.62 ; 17.78,43.62 16.49,42.34 15.87,42.34 15.18,43.03 15.18,44.19 15.15,44.22 15.15,44.52 14.61,45.06 13.75,45.06 13.08,44.39 13.08,43.61 12.55,43.08 6.78,43.08 6.63,42.93 5.16,42.93 5.06,42.84 5.05,42.84 5,42.79 4.76,42.79 4.51,42.55 v1(4.18,42.55) ; v1(137.53,80.64) 137.86,80.64 138.11,80.89 138.35,80.89 138.4,80.94 138.41,80.94 138.51,81.03 139.98,81.03 140.13,81.18 145.9,81.18 146.43,81.71 146.43,82.49 147.1,83.16 147.96,83.16 148.5,82.62 148.5,82.32 148.53,82.29 148.53,81.13 149.22,80.44 149.84,80.44 151.13,81.72 ; 55.88,5.53 54.59,4.24 53.97,4.24 53.28,4.93 53.28,6.09 53.25,6.12 53.25,6.42 52.71,6.96 51.85,6.96 51.18,6.29 51.18,5.51 50.65,4.98 44.88,4.98 44.73,4.83 43.26,4.83 43.16,4.74 43.15,4.74 43.1,4.69 42.86,4.69 42.61,4.44 v1(42.28,4.44) ; v1(59.65,80.9) 59.25,80.9 58.42,81.72 ; v1(78.7,61.85) 78.3,61.85 77.47,62.67 ; 115.57,81.72 116.4,80.9 v1(116.8,80.9) ; 58.42,24.58 59.25,23.75 v1(59.65,23.75) ; v1(2.5,4.7) 2.09,4.7 1.27,5.53 ; v1(137.53,61.59) 137.86,61.59 138.11,61.84 138.35,61.84 138.4,61.89 138.41,61.89 138.51,61.98 139.98,61.98 140.13,62.13 145.9,62.13 146.43,62.66 146.43,63.44 147.1,64.11 147.96,64.11 148.5,63.57 148.5,63.27 148.53,63.24 148.53,62.08 149.22,61.39 149.84,61.39 151.13,62.67 ; v1(2.5,23.75) 2.09,23.75 1.27,24.58 ; 39.37,5.53 40.19,4.7 v1(40.6,4.7)
  Bottom w1.5: J6#39.7 J5#40.7 ; J6#2.7 J5#35.7 ; J6#18.7 J5#37.7 ; J6#28.7 J5#10.7 ; J6#34.7 J5#39.7 ; J6#32.7 J5#14.7 ; J6#30.7 J5#36.7 ; J6#35.7 J5#13.7 ; J6#12.7 J5#23.7 ; J6#40.7 J5#19.7 ; J6#3.7 J5#25.7 ; J6#20.7 J5#20.7 ; J6#14.7 J5#12.7 ; J6#7.7 J5#38.7 ; J6#26.7 J5#6.7 ; J6#4.7 J5#2.7 ; J6#16.7 J5#9.7 ; J6#23.7 J5#8.7 ; J6#31.7 J5#18.7 ; J6.7 J5#32.7 ; J6#13.7 J5#22.7 ; J6#17.7 J5#29.7 ; J6#22.7 J5#24.7 ; J6#10.7 J5#15.7 ; J6#21.7 J5#17.7 ; J6#8.7 J5#5.7 ; J6#27.7 J5#4.7 ; J6#15.7 J5#11.7 ; J6#6.7 J5#33.7 ; J6#11.7 J5#31.7 ; J6#25.7 J5#7.7 ; J6#37.7 J5#16.7 ; J6#29.7 J5#26.7 ; J6#19.7 J5#28.7 ; J6#36.7 J5#30.7
